# Altium PCB PROC054D_MMWCAS_RF_EVM.PcbDoc (part 5 of 14) (continued)
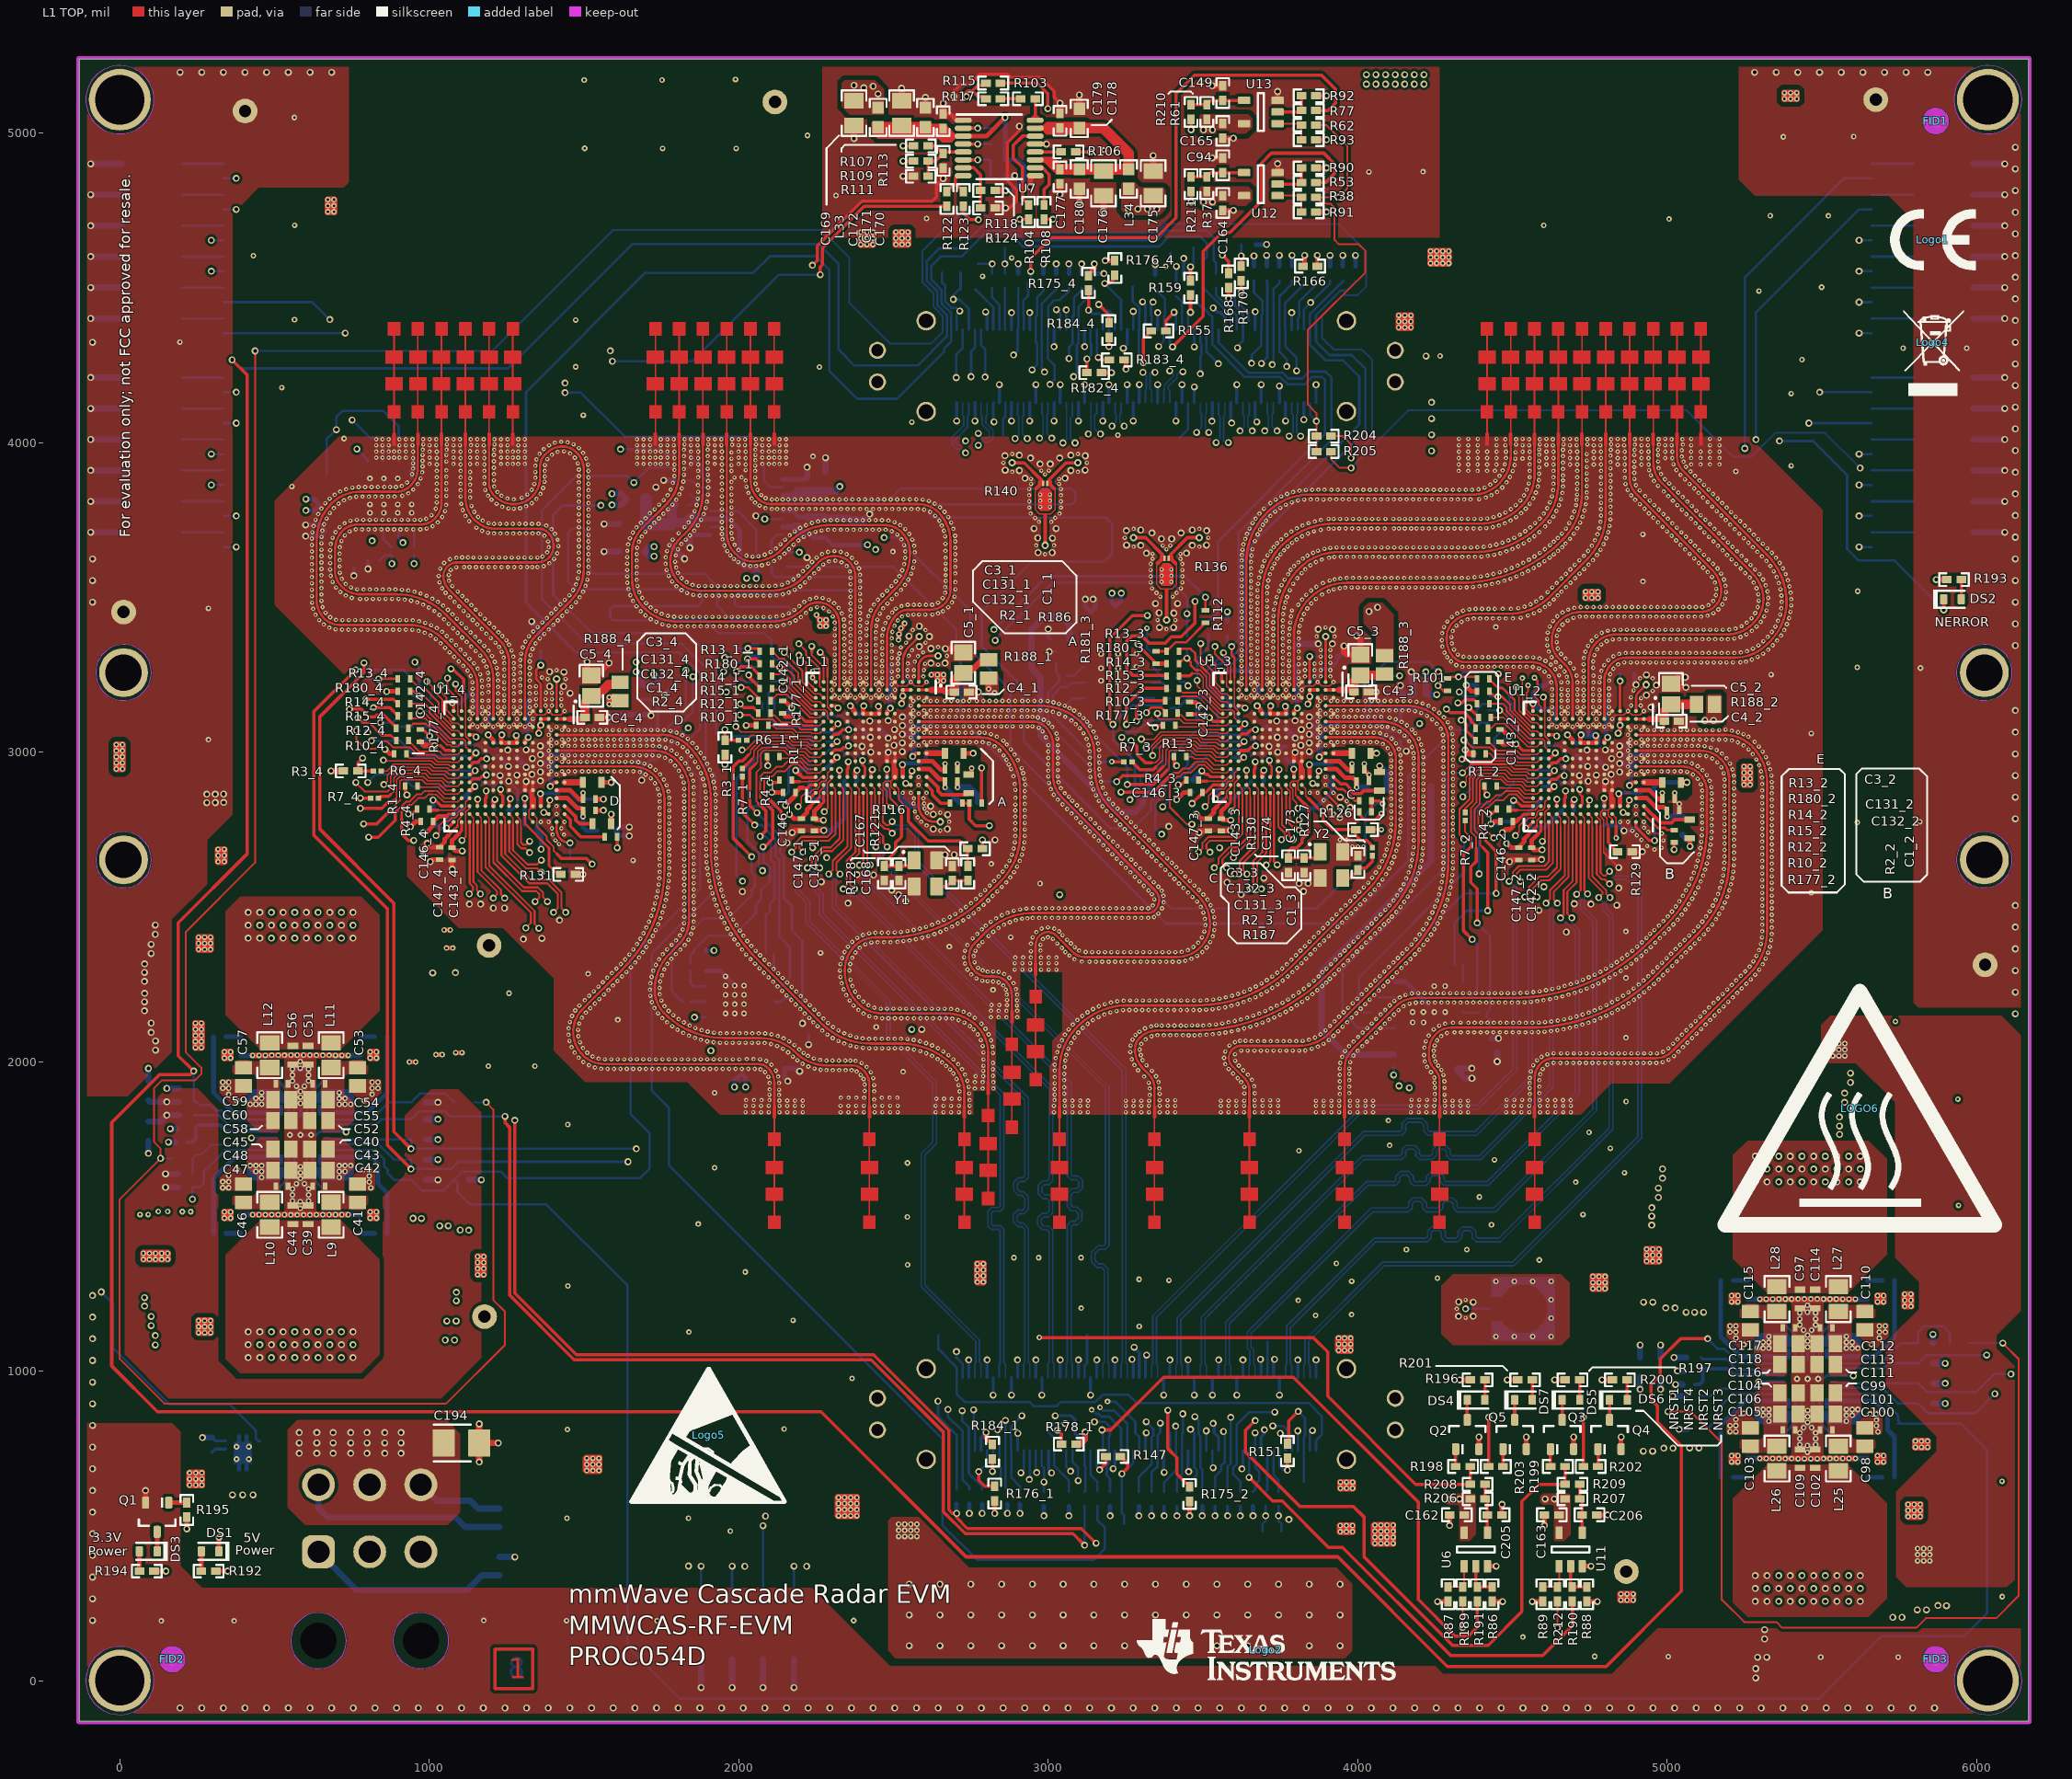
[diagram p0: L1 TOP view]
## Nets (pads, with @x,y where several pads share a name; then routed paths per layer and width w, separated by ;. In a path a pad name is that pad's centre, name@x,y a point inside that pad or via, vN(x,y) a via of type N, cw(c..) or ccw(c..) an arc to the next point about the centre after c; other vN are vias at no path point) (continued)
  L8 BOTTOM w5.25: v2(3700,4038) 3712,4050 3712,4089.7 3708.15,4093.55 J5.112@3708.15,4128.84
AWR_3_LVDS_FRCLK_P: J5.113 U1_3.M15 | length 3316.7
  L1 TOP w6.5: v2(3537,2625.99) 3551,2639.99 3551,2657.97 3585.02,2691.99 3612,2691.99 3641.12,2721.11 3641.12,2867.77 U1_3.M15@3640.53,2868.36
  L6 SIGNAL 3 w5: v2(3537,2625.99) 3549.42,2626 3552,2623.42 3552,2602.89 3543.11,2594 3429.13,2594 3138.83,2884.29 3138.83,2981.46 3123.66,2996.63 3105.16,2996.63 3096.48,3005.31 3096.48,3017.27 3107.01,3027.8 3126.44,3027.8 3139.25,3040.61 3139.25,3062.77 3126.36,3075.66 3106.6,3075.66 3096.42,3085.83 3096.42,3096.67 3103.2,3103.44 3125.36,3103.44 3141.18,3119.26 3141.18,3142.76 3128.06,3155.88 3107.99,3155.88 3098.28,3165.59 3098.28,3175.27 3110.66,3187.65 3182.25,3187.65 3204.83,3210.22 3204.83,3334.2 3185.3,3353.72 3175.82,3353.72 3169.55,3359.99 3169.55,3394.53 3335.24,3560.22 3646.73,3560.22 3949.63,3863.12 3949.63,3906.08 3935.68,3920.03 3869.43,3920.03 3854.56,3905.16 3854.56,3855.63 3847.93,3849 3832.43,3849 3827.45,3853.98 3827.45,3904.41 3812.16,3919.7 3680.64,3919.7 3675.72,3924.62 3675.72,3944.36 3680.33,3948.97 3699.42,3948.97 3712,3961.55 3712,4015.34 3717.05,4020.4 3736.32,4020.4 3739.39,4023.46 v2(3739.39,4038)
  L8 BOTTOM w5.25: J5.113@3727.83,4128.84 3727.83,4094.68 3724,4090.85 3724,4053.39 v2(3739.39,4038)
AWR_3_LVDS_VALID_N: J5.116 U1_3.N14 | length 3368.5
  L1 TOP w4: U1_3.N14@3614.94,2893.95 3627.53,2881.36 3627.53,2861.88
  L1 TOP w6.5: v2(3522.7,2676.69) 3511,2688.39 3511,2702.01 3522.98,2713.99 3605.98,2713.99 3627.53,2735.54 3627.53,2861.88
  L6 SIGNAL 3 w5: v2(3522.7,2676.69) 3510.37,2664.37 3510.37,2632.43 3494.94,2617 3440.53,2617 3374.35,2683.18 3374.35,2709.34 3416.11,2751.1 3416.11,2766.7 3394.76,2788.04 3382.49,2788.04 3345.8,2751.35 3305.15,2751.35 3166.63,2889.87 3166.63,2924.92 3183.36,2941.65 3223.1,2941.65 3233.54,2952.09 3233.54,2973.56 3216.72,2990.38 3183.26,2990.38 3166.63,3007.01 3166.63,3112.08 3250.64,3196.09 3250.64,3444.23 3342.82,3536.41 3656.88,3536.41 4032.9,3912.42 4032.9,4027.78 4019.1,4041.57 4001.45,4041.57 3991.04,4031.16 3991.04,3989.79 3974.82,3973.57 3948.86,3973.57 3931.89,3990.53 3931.89,4027.29 3921.24,4037.94 3892.11,4037.94 3880,4025.82 3880,3961.11 3861.9,3943.01 3806.1,3943.01 3778.61,3970.5 v2(3778.61,4021)
  L8 BOTTOM w5.25: v2(3778.61,4021) 3791,4033.39 3791,4089.77 3786.89,4093.88 J5.116@3786.89,4128.84
AWR_3_LVDS_VALID_P: J5.117 U1_3.N15 | length 3340.8
  L1 TOP w6.5: v2(3486.3,2676.69) 3499,2689.39 3499,2706.99 3518,2725.99 3601,2725.99 3615.53,2740.52 3615.53,2867.77 U1_3.N15@3614.94,2868.36
  L6 SIGNAL 3 w5: v2(3486.3,2676.69) 3489.04,2676.69 3498.37,2667.36 3498.37,2637.41 3489.96,2629 3445.51,2629 3386.35,2688.16 3386.35,2704.36 3428.11,2746.12 3428.11,2771.68 3399.75,2800.04 3377.51,2800.04 3340.82,2763.35 3310.13,2763.35 3178.64,2894.84 3178.64,2919.94 3188.34,2929.65 3228.07,2929.65 3245.55,2947.12 3245.55,2978.53 3221.69,3002.38 3188.23,3002.38 3178.64,3011.98 3178.64,3107.1 3262.65,3191.11 3262.65,3439.25 3347.8,3524.41 3661.86,3524.41 4044.9,3907.44 4044.9,4032.75 4024.07,4053.57 3996.48,4053.57 3979.04,4036.13 3979.04,3994.76 3969.85,3985.57 3953.83,3985.57 3943.89,3995.5 3943.89,4032.26 3926.22,4049.94 3887.13,4049.94 3868,4030.8 3868,3966.09 3856.92,3955.01 3811.08,3955.01 3790.61,3975.48 3790.61,3997.04 3794.41,4000.83 3825.28,4000.83 3828.62,4004.16 3828.62,4011.11 3818.72,4021 v2(3816,4021)
  L8 BOTTOM w5.25: J5.117@3806.57,4128.84 3806.57,4094.13 3803,4090.56 3803,4034 v2(3816,4021)
AWR_3_MCU_CLKOUT: R5_3.1 R123.1 | length 3152.2
  L1 TOP w10.5: R123.1@2725.57,4763.38 2725.57,4741.34 2746.67,4720.23 v2(2774.74,4720.23)
  L5 SIGNAL 2 w12: v2(2774.74,4720.23) 2698.72,4644.21 2698.72,4596.85 2533.14,4431.28 2533.14,4288.57 2673.22,4148.5 2673.22,4042.73 2657.5,4027.01 2657.5,3934.88 2816.21,3776.18 3052.42,3776.18 3086.24,3742.36 3086.24,3458.76 3110.23,3434.77 3110.23,2819.48 3194.97,2734.74 v2(3366.91,2734.74)
  L8 BOTTOM w7.75: v2(3366.91,2734.74) 3346.25,2755.39 3346.25,2833.24 3377.02,2864.01 3377.02,2905.59 3403.91,2932.48 3424.59,2932.48 3451.15,2959.04 3451.15,2980.73 3496.63,3026.2 R5_3.1@3511.46,3026.2
AWR_3_MSS_LOGGER: J5.42 R15_3.1 | length 2416.3
  L1 TOP w10.5: v2(3252.9,3089.6) 3252.9,3152.72 3306.17,3206 R15_3.1@3382.9,3206
  L6 SIGNAL 3 w6.9: v2(3252.9,3089.6) 3252.9,3122.43 3334.12,3203.65 3334.12,3296.71 3492.7,3455.29 3538.22,3455.29 3562.41,3479.48 3685.5,3479.48 3803.87,3597.85 3827.51,3597.85 4095.39,3865.73 4095.39,4074.36 3996.46,4173.29 3905.45,4173.29 3895.28,4163.11 3805.31,4163.11 3747.91,4220.51 3616.01,4220.51 3581.52,4255 v2(3550,4255)
  L8 BOTTOM w7.75: J5.42@3511.3,4365.06 3511.3,4293.7 v2(3550,4255)
AWR_3_NERROR_IN: R177_3.1 U1_3.P7 | length 193.7
  L1 TOP w4: R177_3.1@3411.4,3086 3416.5,3080.9 3491.68,3080.9 3509.58,3063 3548,3063 3550.41,3060.59 3576.85,3060.59 U1_3.P7@3589.35,3073.09
AWR_3_NERROR_OUT: R9_3.1 R158.1 | length 231.1
  L8 BOTTOM w7.75: R158.1@3396.01,3142 3418.76,3142 3452.56,3175.8 3503.2,3175.8 3547.22,3131.78 R9_3.1@3547.22,3084.16
AWR_3_NRST: R202.2 R211.2 U1_3.P12 | length 7016.6
  L1 TOP w4: 3512.4,2951.6 3530,2934 3556.6,2934 3558,2932.6 3576.81,2932.6 U1_3.P12@3589.35,2945.13
  L1 TOP w6: v2(3464.45,2766.62) 3448.42,2766.62 3393,2822.04 3393,2896.43 3417.57,2921 3425.33,2921 3437.28,2932.94 3460.27,2932.94 3485.93,2958.6 3505.4,2958.6 3512.4,2951.6
  L1 TOP w10.5: v2(3461.75,4777.46) R211.2@3461.75,4811.62 ; R202.2@4729.41,691.84 v2(4729.41,850.2)
  L5 SIGNAL 2 w12: v2(3461.75,4777.46) 3461.75,4751.72 3524.98,4688.48 3996.49,4688.48 4221.28,4463.69 v2(4221.28,4279.76) ; v2(3464.45,2766.62) 3451.08,2753.26 3451.08,2648.47 3397.46,2594.85 3397.46,1606.85 3770.09,1234.22 3770.09,1007.34 3802.5,974.93 3863.42,974.93 3906.05,932.3 4017.58,932.3 4077.68,992.39 4171.37,992.39 4256.22,907.54 4509.63,907.54 4566.97,850.2 v2(4729.41,850.2)
  L6 SIGNAL 3 w6.9: v2(3464.45,2766.62) 3464.45,2779.44 3422.39,2821.5 3407.41,2821.5 3370.09,2858.82 3370.09,2968.16 3380.5,2978.57 3380.5,3035.81 3436.55,3091.87 3436.55,3144.55 3484.26,3192.26 3503.26,3192.26 3520.51,3209.51 3581.65,3209.51 3678.33,3306.18 3772.05,3306.18 3803.18,3337.31 3851.61,3337.31 3870.61,3318.31 3967.86,3318.31 3979.27,3329.72 3979.27,3354.49 3969.36,3364.39 3969.36,3391.95 4000.01,3422.6 4058.17,3422.6 4380.74,3745.17 4380.74,4120.3 v2(4221.28,4279.76)
AWR_3_NRST_HOST: J5.36 R53.1 | length 1156.1
  L1 TOP w10.5: v2(3402,4309) 3501,4408 3501,4618.24 3561.79,4679.04 3587.65,4679.04 3687.59,4778.98 3687.59,4901.64 3721.16,4935.21 3890.87,4935.21 3926.27,4899.81 3926.27,4869.67 3896.82,4840.22 R53.1@3865.5,4840.22
  L8 BOTTOM w7.75: J5.36@3393.19,4365.06 3393.19,4317.81 v2(3402,4309)
AWR_3_NRST_HOST_GS: R53.2 R90.1 U12.2 | length 126.2
  L1 TOP w10.5: U12.2@3741.51,4835.22 3813.25,4835.22 R53.2@3818.25,4840.22 R90.1@3818.25,4887.63
AWR_3_NRST_LED: Q4.1 R202.1 | length 56.1
  L1 TOP w10.5: R202.1@4776.66,691.84 Q4.1@4776.66,747.96
AWR_3_NRST_LED_PW: DS6.1 R200.1 | length 65
  L1 TOP w10.5: DS6.1@4871.15,906.78 R200.1@4871.15,971.8
AWR_3_NRST_RS: C94.1 R37.1 R211.1 U12.4 | length 177.2
  L1 TOP w10.5: R211.1@3461.75,4858.86 R37.1@3512.69,4858.86 3526.45,4872.63 C94.1@3564.27,4872.63 U12.4@3633.24,4872.63
AWR_3_OSC_CLKOUT: R2_3.1 R109.1 R187.1 | length 4262.1
  L1 TOP w10.5: v2(2531.11,4909.65) R109.1@2564.74,4909.65 ; R187.1@4044.71,2807.84 R2_3.1@4044.71,2842.4 4071.46,2842.4 v3(4080.62,2833.24)
  L5 SIGNAL 2 w12: v2(2470.17,3693.31) 2470.17,3783.21 2340.33,3913.05 2340.33,3974.42 2127.73,4187.02 2127.73,4701.89 2319.05,4893.2 2514.66,4893.2 v2(2531.11,4909.65)
  L8 BOTTOM w7.75: v2(2470.17,3693.31) 2512.51,3693.31 2749.2,3456.62 2749.2,3329.21 2878.37,3200.04 2878.37,3014.2 3397.73,2494.84 3866.71,2494.84 4025.02,2653.15 4025.02,2796.23 4062.03,2833.24 v3(4080.62,2833.24)
AWR_3_OSC_CLKOUT_CONN: J2.5 R187.2 | length 4338.5
  L1 TOP w10.5: R187.2@4004.71,2807.84 4004.71,2798.61 4021.79,2781.53 4056.17,2781.53 v3(4076.28,2801.63)
  L6 SIGNAL 3 w6.9: v2(2078.45,500.33) 2095.63,500.33 2101.46,506.16 2244.73,506.16 2338.89,412.01 2985.54,412.01 3055.76,482.23 3223.57,482.23 3255.27,513.94 3255.27,537.94 3346.77,629.44 3346.77,725.4 3292.44,779.72 3292.44,977.68 3237.52,1032.61 3237.52,1751.3 3956.33,2470.11 3956.33,2729 4028.96,2801.63 v3(4076.28,2801.63)
  L8 BOTTOM w7.75: J2.5@2078.45,264.5 v2(2078.45,500.33)
AWR_3_PMIC_CLKOUT: R4_3.1 R81.2 R159.1 TP2_3.1 TP22.1 U4.3 | length 12535.9
  L1 TOP w10.5: v2(3420,2894) 3430,2894 R4_3.1@3446,2910 ; R159.1@3460,4523.59 v2(3460,4568)
  L3 SIGNAL 1 w5.1: v2(3420,2894) 3399.58,2873.58 3344.24,2873.58 3194.43,2723.77 3194.43,972.08 3241.72,924.78 3241.72,724.66 3369.34,597.05 3782.26,597.05 3846.41,532.9 3846.41,479.29 4123.37,202.33 5661.93,202.33 5766.31,306.7 5965.04,306.7 6033.05,374.72 v2(6033.05,1051.92) 6033.05,1954.59 5542.44,2445.2 5542.44,4178.57 5494.58,4226.44 4255.04,4226.44 4169.66,4141.06 4041.1,4141.06 3872.42,4309.74 3656.41,4309.74 3622.11,4275.44 3590.45,4275.44 3573.67,4292.22 3573.67,4434.62 3460,4548.29 v2(3460,4568)
  L8 BOTTOM w7.75: v2(3460,4568) 3469.4,4577.4 TP2_3.1@3469.4,4629.14 ; U4.3@5529.07,1004.63 5544.52,1004.63 5549.81,1009.92 5699.93,1009.92 5715.41,1025.4 TP22.1@5756.51,1025.4 R81.2@5811.76,1025.4 5838.28,1051.92 v2(6033.05,1051.92)
AWR_3_SCL: R102.2 R180_3.1 U1_3.P4 | length 293.1
  L1 TOP w4: 3484.11,3265 3490,3265 3511,3244 3511,3210.53 3558.78,3162.75 3576.46,3162.75 U1_3.P4@3589.35,3149.86
  L1 TOP w8: R180_3.1@3422.91,3286 3440.37,3303.46 v2(3448.24,3303.46) 3460.5,3291.2 3460.5,3281.07 3476.57,3265 3484.11,3265
  L8 BOTTOM w7.75: v2(3448.24,3303.46) R102.2@3448.24,3333.71
AWR_3_SDA: R13_3.1 R112.2 R181_3.1 | length 197.3
  L1 TOP w8: R181_3.1@3349.08,3326 R13_3.1@3382.9,3326 3411.57,3354.67 3444.94,3354.67 R112.2@3508.27,3417.99
AWR_3_SOP0_TDO: J5.37 R155.2 | length 129.5
  L1 TOP w10.5: R155.2@3380.34,4360.87 3380.34,4394.34 v2(3407,4421)
  L8 BOTTOM w7.75: v2(3407,4421) 3412.87,4415.13 J5.37@3412.87,4365.06
AWR_3_SOP1_SYNCOUT: J5.38 R157.2 | length 115.1
  L8 BOTTOM w7.75: R157.2@3414,4472.42 3432.56,4453.87 J5.38@3432.56,4365.06
AWR_3_SOP2_PMICCLKOUT: J5.39 R159.2 | length 114.5
  L1 TOP w10.5: v2(3460,4421) R159.2@3460,4476.35
  L8 BOTTOM w7.75: J5.39@3452.24,4365.06 3452.24,4413.24 v2(3460,4421)
AWR_3_SPI_CLK1: J5.51 R182_3.2 U1_3.R9 | length 3070.7
  L1 TOP w4: v2(3338,2989) 3338,3009.52 3373.48,3045 3481,3045 3495,3031 3544,3031 3553.09,3021.91 U1_3.R9@3563.76,3021.91
  L6 SIGNAL 3 w6.9: v2(3338,2989) 3338,3034.54 3409.86,3106.4 3409.86,3211.75 3453.45,3255.35 3507.35,3255.35 3523.17,3239.53 3568.53,3239.53 3665.68,3336.68 3754.88,3336.68 3857.5,3439.3 3951.19,3439.3 4310.54,3798.65 4310.54,4126.43 4179.5,4257.47 4084.85,4257.47 4021.91,4320.41 3704.05,4320.41 3657.49,4273.85 v2(3657.49,4256.45)
  L8 BOTTOM w7.75: v2(3657.49,4256.45) 3657.49,4282.83 3688.46,4313.8 J5.51@3688.46,4365.06 3690,4366.6 3690,4413 3693,4416 3693,4456.4 3665,4484.4 R182_3.2@3665,4523
AWR_3_SPI_CS1: J5.53 R175_3.1 U1_3.R7 | length 2476.2
  L1 TOP w4: v2(3353,3125) 3353,3111.09 3358.09,3106 3425,3106 3438.25,3092.75 3493.14,3092.75 3512.81,3073.09 U1_3.R7@3563.76,3073.09
  L6 SIGNAL 3 w6.9: v2(3353,3125) 3378.85,3150.85 3378.85,3271.15 3512.76,3405.05 3601.67,3405.05 3626.64,3430.03 3710.72,3430.03 3821.34,3540.65 3871.46,3540.65 4156.68,3825.86 4156.68,4095.44 3971.55,4280.56 3752.56,4280.56 v2(3724,4252)
  L8 BOTTOM w7.75: v2(3724,4252) 3727.83,4255.83 3727.83,4494.93 3747,4514.09 R175_3.1@3747,4523
AWR_3_SPI_HOST_INTR1: J5.54 R10_3.2 R184_3.2 | length 2243.5
  L1 TOP w8: v2(3317.5,3127.5) 3334.2,3144.2 3365.42,3144.2 3378.91,3130.71 R10_3.2@3378.91,3126
  L6 SIGNAL 3 w6.9: v2(3317.5,3127.5) 3363.67,3173.67 3363.67,3279.48 3501.94,3417.75 3593.98,3417.75 3622.67,3446.44 3703.57,3446.44 3814.49,3557.36 3851.2,3557.36 4135.23,3841.38 4135.23,4088.04 3965.56,4257.7 3782.7,4257.7 v2(3771,4246)
  L8 BOTTOM w7.75: v2(3771,4246) 3771,4270 3747.52,4293.48 3747.52,4472.99 3788,4513.46 R184_3.2@3788,4523
AWR_3_SPI_MISO1: J5.55 R12_3.2 R176_3.1 | length 2298.1
  L1 TOP w10.5: v2(3286,3100.71) 3286,3145 3307,3166 R12_3.2@3378.89,3166 R12_3.2@3381.09,3166
  L6 SIGNAL 3 w6.9: v2(3286,3100.71) 3286,3129.08 3348.52,3191.59 3348.52,3286.88 3492.26,3430.63 3588.76,3430.63 3620.34,3462.2 3692.66,3462.2 3807.58,3577.12 3838.98,3577.12 4115.61,3853.76 4115.61,4081.59 3965.2,4232 v2(3803,4232)
  L8 BOTTOM w7.75: v2(3803,4232) 3803,4274 3767.2,4309.8 J5.55@3767.2,4365.06 3765,4367.26 3765,4449.69 3829,4513.69 R176_3.1@3829,4523
AWR_3_SPI_MOSI1: J5.52 R183_3.2 U1_3.R8 | length 2930.6
  L1 TOP w4: v2(3301,3042) 3341.83,3042 3364.83,3065 3491,3065 3505,3051 3551,3051 3554.5,3047.5 U1_3.R8@3563.76,3047.5
  L6 SIGNAL 3 w6.9: v2(3301,3042) 3301,3072.72 3330.67,3102.39 3364.69,3102.39 3393.85,3131.55 3393.85,3223.16 3445.41,3274.71 3533.95,3274.71 3550.77,3291.53 3600.73,3291.53 3662.05,3352.84 3747.2,3352.84 3852.35,3457.99 3940.17,3457.99 4275.96,3793.78 4275.96,4135.88 4174.59,4237.25 4061.49,4237.25 3996.38,4302.36 3735.36,4302.36 v2(3689,4256)
  L8 BOTTOM w7.75: v2(3689,4256) 3708.15,4275.15 3708.15,4520.85 R183_3.2@3706,4523
AWR_3_TCK: J5.33 U1_3.M13 | length 3452.3
  L1 TOP w10.5: U1_3.M13@3640.53,2919.55 3640.53,2938.23 3641.04,2938.74 v2(3641.04,2941.5)
  L6 SIGNAL 3 w6.9: v2(3339,4454) 3473.42,4454 3533.76,4514.34 4082.2,4514.34 4114.3,4546.44 4281.2,4546.44 4565.9,4261.74 4565.9,3734.93 4213.69,3382.72 4169.86,3382.72 4003.86,3216.72 3751.74,3216.72 3698.16,3163.14 3698.16,3128.01 3685.69,3115.54 3622.04,3115.54 3605.1,3098.59 3605.1,2959.44 3623.04,2941.5 v2(3641.04,2941.5)
  L8 BOTTOM w7.75: J5.33@3334.13,4365.06 3334.13,4408.87 3332,4411 3332,4447 v2(3339,4454)
AWR_3_TDI: J5.30 U1_3.H13 | length 3692.2
  L1 TOP w10.5: U1_3.H13@3742.89,2919.55 3742.89,2935.79 3746.6,2939.5 v2(3746.6,2943.69)
  L6 SIGNAL 3 w6.9: v2(3275.08,4424) 3275.08,4458.03 3318.41,4501.36 3442.24,4501.36 3488.85,4547.97 4041.75,4547.97 4174.21,4680.43 4326.7,4680.43 4650.84,4356.29 4650.84,3750.11 4234.5,3333.77 4174.18,3333.77 4105.26,3264.85 4105.26,3186.86 4052.67,3134.26 3828.62,3134.26 3815.55,3121.19 3785.37,3121.19 3770.72,3106.54 3770.72,2967.81 v2(3746.6,2943.69)
  L8 BOTTOM w7.75: J5.30@3275.08,4365.06 v2(3275.08,4424)
AWR_3_TDO: J5.31 R8_3.2 R155.1 TP3_3.1 | length 3689.8
  L1 TOP w10.5: v2(3308.08,4258.64) 3308.08,4335.85 R155.1@3333.1,4360.87
  L6 SIGNAL 3 w6.9: v2(3308.08,4258.64) 3311.36,4255.37 3511.16,4255.37 3538.6,4282.8 3551.01,4282.8 3608.94,4340.72 4148.17,4340.72 4191.07,4297.82 4191.07,4273.28 4342.76,4121.59 4342.76,3760.85 4086.47,3504.55 4047.56,3504.55 3963.07,3420.06 3859.32,3420.06 3761.91,3322.65 3674.21,3322.65 3575.46,3223.91 3515,3223.91 3498.45,3207.36 3481.5,3207.36 3423.22,3149.08 3423.22,3097.79 3361.72,3036.3 3361.72,2979.3 3348.56,2966.14 3348.56,2844.44 v2(3370,2823)
  L8 BOTTOM w7.75: TP3_3.1@3272.86,4503.14 3272.86,4457.09 3294.76,4435.18 3294.76,4432.71 3295.15,4432.32 3295.15,4415.68 3294.76,4415.29 J5.31@3294.76,4365.06 3293,4363.3 3293,4273.73 v2(3308.08,4258.64) ; v2(3370,2823) 3392.32,2845.32 3392.32,2899.28 3410.65,2917.61 3433.64,2917.61 3485.91,2969.89 3496.14,2969.89 R8_3.2@3511.46,2985.2
AWR_3_TMS: J5.32 U1_3.L13 | length 3596.6
  L1 TOP w10.5: U1_3.L13@3666.12,2919.55 3666.12,2944.22 3668.94,2947.04 v2(3668.94,2968.94)
  L6 SIGNAL 3 w6.9: v2(3305,4455) 3328.81,4478.82 3457.67,4478.82 3510.15,4531.3 4060.92,4531.3 4183.77,4654.15 4306.79,4654.15 4608.87,4352.06 4608.87,3742.36 4227.73,3361.22 4173.17,3361.22 4014.8,3202.85 3782.07,3202.85 3741.34,3162.12 3741.34,3137.46 3717.35,3113.47 3717.35,3072.81 3693.68,3049.15 3693.68,2993.68 v2(3668.94,2968.94)
  L8 BOTTOM w7.75: v2(3305,4455) 3314.45,4445.55 J5.32@3314.45,4365.06
AWR_3_UART_RX: J5.44 R179_3.1 U1_3.N5 | length 1743.2
  L1 TOP w4: 3602.19,3240.55 3602.19,3206.52 3602.06,3206.38 3602.06,3144.84 3614.94,3131.96 U1_3.N5@3614.94,3124.27
  L1 TOP w8: v2(3593,3341) 3593,3313.53 3602.19,3304.34 3602.19,3240.55
  L8 BOTTOM w7.75: J5.44@3550.67,4365.06 3550.67,4322.71 3647.38,4226 3757.12,4226 3776,4207.12 3821.41,4207.12 3843.71,4229.42 3896.36,4229.42 3915.48,4210.3 3915.48,4009.22 3615.58,3709.32 3615.58,3363.58 v2(3593,3341) 3578.91,3355.09 R179_3.1@3578.91,3377.34
AWR_3_UART_TX: J5.43 R11_3.1 R178_3.1 | length 1556.8
  L8 BOTTOM w7.75: R178_3.1@3460,4472.42 3498.72,4433.71 3503.06,4433.71 3530,4406.77 3530,4366.04 J5.43@3530.98,4365.06 3530.98,4316.95 3635.93,4212 3750.03,4212 3773.03,4189 3829.68,4189 3852.81,4212.13 3884.78,4212.13 3895,4201.91 3895,4028.11 3548.46,3681.57 3548.46,3452.81 R11_3.1@3516,3420.34
AWR_3_WARM_RST: J5.35 R174_3.1 U1_3.N12 | length 3762.4
  L1 TOP w4: v2(3507,2824) 3518.45,2835.46 3518.45,2858.46 3541.45,2881.46 3568.94,2881.46 3576.85,2889.37 3576.85,2899.14 3584.17,2906.46 3593.94,2906.46 3602.44,2914.96 3602.44,2932.64 U1_3.N12@3614.94,2945.13
  L6 SIGNAL 3 w6.9: v2(3357,4311) 3408.43,4362.43 3507.21,4362.43 3578.3,4433.51 3627.92,4433.51 3663.89,4469.47 3778.25,4469.47 3821.08,4426.64 3862.08,4426.64 3914.57,4479.13 4121.86,4479.13 4133.87,4491.14 4235.66,4491.14 4480.48,4246.32 4480.48,3719.27 4192.94,3431.73 4160.87,3431.73 3973.74,3244.61 3724.98,3244.61 3666.12,3185.75 3627.5,3185.75 3568,3126.25 3568,2849.28 3542.72,2824 v2(3507,2824)
  L8 BOTTOM w7.75: R174_3.1@3346,4496 3377,4465 3377,4411 3374,4408 3374,4365.56 J5.35@3373.5,4365.06 3373.5,4327.5 v2(3357,4311)
AWR_3_XTAL_CLKM: C174.1 R130.2 U1_3.F14 Y2.1 | length 401.9
  L1 TOP w4: U1_3.F14@3794.07,2893.95 3799,2889.02 3799,2862.03 3806.6,2854.44
  L1 TOP w10.5: 3806.6,2854.44 3840.53,2820.51 3840.53,2739.57 3820.31,2719.35 3820.31,2707.62 3803.13,2690.45 3786.52,2690.45 3776.7,2680.63 R130.2@3776.7,2657.9 C174.1@3826.93,2657.9 3859.19,2657.9 Y2.1@3878.92,2677.63
AWR_3_XTAL_CLKP: R126.2 R127.2 U1_3.E14 | length 352.9
  L1 TOP w4: U1_3.E14@3819.67,2893.95 3832.17,2881.45 3832.17,2858.82 3841.8,2849.18
  L1 TOP w10.5: 3841.8,2849.18 3888.95,2802.04 3888.95,2778.94 3918.32,2749.57 R126.2@3993.94,2749.57 3993.94,2730.18 4009.77,2714.35 4029.62,2714.35 4047.24,2696.74 R127.2@4047.24,2691.29
AWR_3_XTALP_RS: C173.1 R127.1 Y2.3 | length 136.4
  L1 TOP w10.5: Y2.3@3951.75,2592.99 3975.72,2592.99 C173.1@4001.11,2618.38 4008.45,2625.72 4026.44,2625.72 4047.24,2646.52 R127.1@4047.24,2665.31
AWR_4_1V0_RF1_FILT: C30.1 C31.1 C34.1 C136_4.1 C137_4.1 C138_4.1 C139_4.1 L7.2 U1_4.G5 U1_4.H5 U1_4.J5 | length 101.7
  L1 TOP w15: v2(1234.09,3055.57) 1232.3,3053.78 U1_4.J5@1232.3,3030.27 U1_4.G5@1283.48,3030.27 1283.48,3051.69 v2(1281.34,3053.83)
AWR_4_1V0_RF2_FILT: C36.1 C81.1 C89.1 C140_4.1 C141_4.1 L8.2 R188_4.2 U1_4.C2 U1_4.D2 | length 177.1
  L1 TOP w12: v2(1354,3061) 1354,3080.9 v2(1360.25,3087.15) U1_4.D2@1360.26,3107.04 U1_4.C2@1385.85,3107.04
  L1 TOP w20: v3(1581.43,3154.69) v3(1581.43,3177.45) 1605.39,3177.45 R188_4.2@1616.77,3166.07 1605.39,3154.69 v3(1581.43,3154.69)
AWR_4_1V2_FILT: C21.1 C29.1 C78.1 C142_4.1 C143_4.1 C144_4.1 C145_4.1 C146_4.1 C147_4.1 L3.2 U1_4.F13 U1_4.N11 U1_4.P14 U1_4.P15 U1_4.R6 U1_4.R14 | length 746.3
  L1 TOP w4: 1091.5,2763.69 1091.5,2779.5 1104.35,2792.35 U1_4.P14@1104.35,2799.95
  L1 TOP w8: 1083.43,2752.28 1091.5,2760.35 1091.5,2763.69 ; 1104.35,2751.01 U1_4.P15@1104.35,2774.36
  L1 TOP w10: v2(1017,3021) 1037,3021 1052,3006 1065,3006 1066.32,3004.68 U1_4.R6@1078.76,3004.68 ; 1055,2793 1061.96,2799.96 U1_4.R14@1078.76,2799.95 ; 1060.75,2729.6 1083.43,2752.28 ; 1094.25,2734.86 1104.35,2744.95 1104.35,2751.01 ; v2(1308.51,2850.72) 1309.07,2850.16 U1_4.F13@1309.07,2825.55
  L1 TOP w15: v2(980,2740) 990,2740 1012,2762 C146_4.1@1012,2775.58 ; v2(994,2705) 1006,2693 C147_4.1@1033,2693 1050,2710 1050,2718.85 1060.75,2729.6 ; C146_4.1@1013.58,2776 1030.58,2793 1055,2793 ; 1094.25,2734.86 1074,2714.6 C143_4.1@1074,2691.58 1084.85,2680.73 v2(1106.3,2680.73) ; U1_4.N11@1129.94,2876.72 1135.02,2876.73 v2(1147.19,2888.9)
  L1 TOP w20: C142_4.1@971.49,3033.71 983.2,3022 1014,3022 1015,3021 v2(1017,3021)
  L8 BOTTOM w15: C144_4.1@1110.64,2852.35 v2(1147.19,2888.9) ; C145_4.1@1308.51,2765.53 v2(1308.51,2850.72)
  other v2: 980.39,2680.33
  other v3: 75.94,1361.02 95.63,1361.02 115.31,1361.02 135,1361.02 154.68,1361.02 75.94,1380.71 95.63,1380.71 115.31,1380.71 135,1380.71 154.68,1380.71 -11.37,2945.41 8.31,2945.41 -11.37,2965.1 8.31,2965.1 -11.37,2984.78 8.31,2984.78 -11.37,3004.47 8.31,3004.47 -11.37,3024.15 8.31,3024.15
AWR_4_1V8_FILT: C128_4.1 C129_4.1 C130_4.1 C131_4.1 C132_4.1 C133_4.1 C134_4.1 C135_4.1 C150.1 C151.1 C152.1 L6.2 U1_4.B11 U1_4.B12 U1_4.D13 U1_4.F5 U1_4.K5 U1_4.K13 | length 714.1
  L1 TOP w15: v2(1190.39,3055.45) 1206.71,3039.13 U1_4.K5@1206.71,3030.27 ; U1_4.K13@1206.71,2825.55 1206.71,2841.82 v2(1212.03,2847.14) ; U1_4.F5@1309.07,3030.27 1309.07,3036.78 v2(1319.99,3047.7) ; v2(1359,2865.6) 1360.25,2864.35 U1_4.D13@1360.25,2825.55 ; U1_4.B12@1411.44,2851.13 1446.49,2851.13 1478.59,2819.04 1489.87,2819.04 C132_4.1@1496.84,2812.06 v3(1496.84,2791.69) ; U1_4.B11@1411.44,2876.72 1455.64,2876.72 1484.35,2848.02 C131_4.1@1496.84,2848.02 v3(1496.84,2868.39)
  L8 BOTTOM w10: v2(1190.39,3055.45) 1218.15,3027.69 C129_4.1@1219.89,3027.69 ; C135_4.1@1211.3,2812 1211.3,2846.41 v2(1212.03,2847.14)
  L8 BOTTOM w12: v2(1359,2865.6) 1360.4,2867 C134_4.1@1417.23,2867
  L8 BOTTOM w15: v2(1319.99,3047.7) 1317.72,3049.97 C128_4.1@1317.72,3127.01 1317.72,3164.62 C130_4.1@1329.9,3176.8 ; v3(1496.84,2791.69) 1496.84,2757.16 1508.01,2745.99 C133_4.1@1543.58,2745.99
  other v3: 254.07,2362.6 273.75,2362.6 293.44,2362.6 254.07,2382.28 273.75,2382.28 293.44,2382.28 254.07,2401.97 273.75,2401.97 293.44,2401.97
AWR_4_BSS_LOGGER: J5.18 R14_4.1 | length 3649.6
  L1 TOP w10.5: v2(794.4,3170.68) 884.32,3170.68 898,3157 R14_4.1@900.09,3157
  L6 SIGNAL 3 w6.9: v2(794.4,3170.68) 794.4,3258.33 816.63,3280.55 816.63,3337.22 1069.02,3589.61 1069.02,4293.09 1384.6,4608.67 2048.03,4608.67 2204.63,4452.07 2630.6,4452.07 2662.53,4420.14 2662.53,4405.77 2690.67,4377.63 2789.88,4377.63 2864.35,4452.11 3003.89,4452.11 v2(3026.59,4429.41)
  L8 BOTTOM w7.75: v2(3026.59,4429.41) 3038.86,4417.14 J5.18@3038.86,4365.06
AWR_4_CSI2_CLK_N: J5.71 U1_4.J14 | length 3680.6
  L1 TOP w4: U1_4.J14@1232.3,2799.95 1244.89,2787.37 1244.89,2768.68
  L1 TOP w6.5: 1244.89,2768.68 1244.89,2671.09 1327.98,2588 1386,2588 1427.32,2546.68 1427.32,2495.68 v2(1441,2482)
  L6 SIGNAL 3 w5: v2(1441,2482) 1425.28,2497.72 1425.28,2502.42 1429.09,2506.23 1592.87,2506.23 1735.26,2648.62 1735.26,2925.18 1709.89,2950.55 1654.15,2950.55 1650.4,2954.3 1650.4,2967.32 1654.89,2971.8 1719.56,2971.8 1731.68,2983.92 1731.68,3002.26 1716.89,3017.05 1657.69,3017.05 1651.57,3023.17 1651.57,3039.52 1657.36,3045.3 1706.97,3045.3 1719.89,3058.22 1719.89,3078.67 1676.18,3122.39 1676.18,3186.48 1702.45,3212.75 1702.45,3340.87 2019.45,3657.87 2132.82,3657.87 2191.14,3716.19 2276.42,3716.19 2289.9,3702.7 2289.9,3654.43 2306.44,3637.89 2338.67,3637.89 2358.04,3657.26 2358.04,3712.81 2369.78,3724.55 2706.1,3724.55 2728.17,3746.62 2728.17,3855.17 2799.9,3926.9 2807.4,3934.41 2807.4,3978.87 2865.53,4037 2903,4037 2908,4032 2908,4028 v2(2893,4013)
  L8 BOTTOM w5.25: v2(2893,4013) 2904.91,4024.91 2904.91,4083.47 2901.06,4087.32 J5.71@2901.06,4128.84
AWR_4_CSI2_CLK_P: J5.72 U1_4.J15 | length 3688.7
  L1 TOP w6.5: U1_4.J15@1232.3,2774.36 1232.89,2773.78 1232.89,2666.11 1323,2576 1381.02,2576 1415.32,2541.7 1415.32,2495.94 v2(1401.38,2482)
  L6 SIGNAL 3 w5: v2(1401.38,2482) 1413.28,2493.9 1413.28,2507.4 1424.11,2518.23 1587.89,2518.23 1723.26,2653.6 1723.26,2920.2 1704.91,2938.55 1649.17,2938.55 1638.4,2949.32 1638.4,2972.3 1649.91,2983.8 1714.58,2983.8 1719.68,2988.9 1719.68,2997.28 1711.91,3005.05 1652.71,3005.05 1639.57,3018.19 1639.57,3044.5 1652.38,3057.3 1702,3057.3 1707.89,3063.2 1707.89,3073.69 1664.18,3117.41 1664.18,3191.46 1690.45,3217.73 1690.45,3345.85 2014.47,3669.87 2127.85,3669.87 2186.17,3728.19 2281.39,3728.19 2301.9,3707.68 2301.9,3659.4 2311.41,3649.89 2333.7,3649.89 2346.04,3662.23 2346.04,3717.78 2364.81,3736.55 2701.13,3736.55 2716.17,3751.59 2716.17,3860.15 2795.4,3939.38 2795.4,3983.85 2860.55,4049 2907.98,4049 2920,4036.98 2920,4025.39 v2(2932.39,4013)
  L8 BOTTOM w5.25: J5.72@2920.75,4128.84 2920.75,4087.55 2916.91,4083.71 2916.91,4028.48 v2(2932.39,4013)
AWR_4_CSI2_TX0_N: J5.62 U1_4.G14 | length 3700.7
  L1 TOP w4: U1_4.G14@1283.48,2799.95 1283.48,2792.52 1296,2780 1296,2760.68 1296.07,2760.61 1296.07,2760
  L1 TOP w6.5: 1296.07,2760 1296.07,2707.91 1302.98,2701 1313.22,2701 v2(1324,2711.78)
  L6 SIGNAL 3 w5: v2(1324,2711.78) 1310.89,2698.67 1294.31,2698.67 1278,2682.37 1278,2609.67 1310.43,2577.24 1426.03,2577.24 1628.28,2779.49 1682.59,2779.49 1694.18,2791.07 1694.18,2808.66 1682.35,2820.49 1617.04,2820.49 1609.16,2828.37 1609.16,2836.27 1616.41,2843.52 1672.53,2843.52 1683.89,2854.88 1683.89,2879.11 1670,2893 1647.48,2893 1616,2924.48 1616,2959.02 1602.76,2972.26 1586.79,2972.26 1582.21,2976.83 1582.21,2988.71 1587.02,2993.51 1602.76,2993.51 1616,3006.75 1616,3025.52 1602.76,3038.76 1586.79,3038.76 1582.21,3043.33 1582.21,3055.21 1587.02,3060.01 1602.76,3060.01 1616,3073.25 1616,3198.71 1622.22,3204.93 1641.43,3204.93 1655.67,3219.17 1655.67,3237.94 1643.43,3250.18 1622.22,3250.18 1616.2,3256.2 1616.2,3305.35 2016.02,3705.17 2091.27,3705.17 2128.42,3742.32 2128.42,3808.37 2141,3820.94 2157.31,3820.94 2165.71,3812.54 2165.71,3775.18 2178.4,3762.49 2204.55,3762.49 2218.45,3776.39 2218.45,3828.31 2226.48,3836.34 2242.54,3836.34 2250.29,3828.59 2250.29,3775.18 2262.98,3762.49 2289.13,3762.49 2303.03,3776.39 2303.03,3813.81 2310.16,3820.94 2326.47,3820.94 2334.87,3812.54 2334.87,3775.18 2347.57,3762.49 2373.71,3762.49 2387.61,3776.39 2387.61,3813.81 2394.74,3820.94 2480.52,3820.94 2488.93,3812.54 2488.93,3778.86 2504.87,3762.91 2527.35,3762.91 2541.67,3777.23 2541.67,3813.81 2548.8,3820.94 2626.57,3820.94 2688.09,3882.46 2688.09,3958.42 2696.23,3966.57 v2(2733,3966.57)
  L8 BOTTOM w5.25: J5.62@2723.89,4128.84 2723.9,4087.38 2727,4084.28 2727,4054 2690,4017 2690,3993.28 2704.28,3979 2720.57,3979 v2(2733,3966.57)
AWR_4_CSI2_TX0_P: J5.63 U1_4.G15 | length 3667
  L1 TOP w6.5: U1_4.G15@1283.48,2774.36 1284.07,2773.78 1284.07,2702.93 1298,2689 1310.38,2689 v2(1324,2675.38)
  L6 SIGNAL 3 w5: v2(1324,2675.38) 1312.71,2686.67 1299.28,2686.67 1290,2677.4 1290,2614.65 1315.41,2589.24 1421.05,2589.24 1623.3,2791.49 1677.61,2791.49 1682.18,2796.05 1682.18,2803.68 1677.37,2808.49 1612.06,2808.49 1597.16,2823.39 1597.16,2841.25 1611.43,2855.52 1667.55,2855.52 1671.89,2859.86 1671.89,2874.13 1665.02,2881 1642.51,2881 1604,2919.51 1604,2954.04 1597.78,2960.26 1581.81,2960.26 1570.21,2971.85 1570.21,2993.69 1582.04,3005.51 1597.78,3005.51 1604,3011.73 1604,3020.54 1597.78,3026.76 1581.81,3026.76 1570.21,3038.35 1570.21,3060.19 1582.04,3072.01 1597.78,3072.01 1604,3078.23 1604,3203.69 1617.24,3216.93 1636.45,3216.93 1643.67,3224.15 1643.67,3232.96 1638.45,3238.18 1617.24,3238.18 1604.2,3251.22 1604.2,3310.33 2011.04,3717.17 2086.3,3717.17 2116.42,3747.29 2116.42,3813.34 2136.03,3832.94 2162.28,3832.94 2177.71,3817.51 2177.71,3780.15 2183.37,3774.49 2199.58,3774.49 2206.45,3781.36 2206.45,3833.28 2221.51,3848.34 2247.51,3848.34 2262.29,3833.56 2262.29,3780.15 2267.95,3774.49 2284.16,3774.49 2291.03,3781.36 2291.03,3818.78 2305.19,3832.94 2331.44,3832.94 2346.87,3817.51 2346.87,3780.15 2352.54,3774.49 2368.74,3774.49 2375.61,3781.36 2375.61,3818.78 2389.77,3832.94 2485.5,3832.94 2500.93,3817.51 2500.93,3783.83 2509.84,3774.91 2522.38,3774.91 2529.67,3782.2 2529.67,3818.78 2543.83,3832.94 2621.6,3832.94 2676.09,3887.43 2676.09,3963.4 2691.26,3978.57 2706.26,3978.57 2710.65,3982.96 2710.65,4010.16 2715.19,4014.7 2723.3,4014.7 v2(2733,4005)
  L8 BOTTOM w5.25: v2(2733,4005) 2719,3991 2709.26,3991 2702,3998.26 2702,4012.02 2739,4049.02 2739,4084.48 2743.58,4089.06 J5.63@2743.58,4128.84